# Altium PCB calorieScale.PcbDoc (part 1 of 2) (continued)
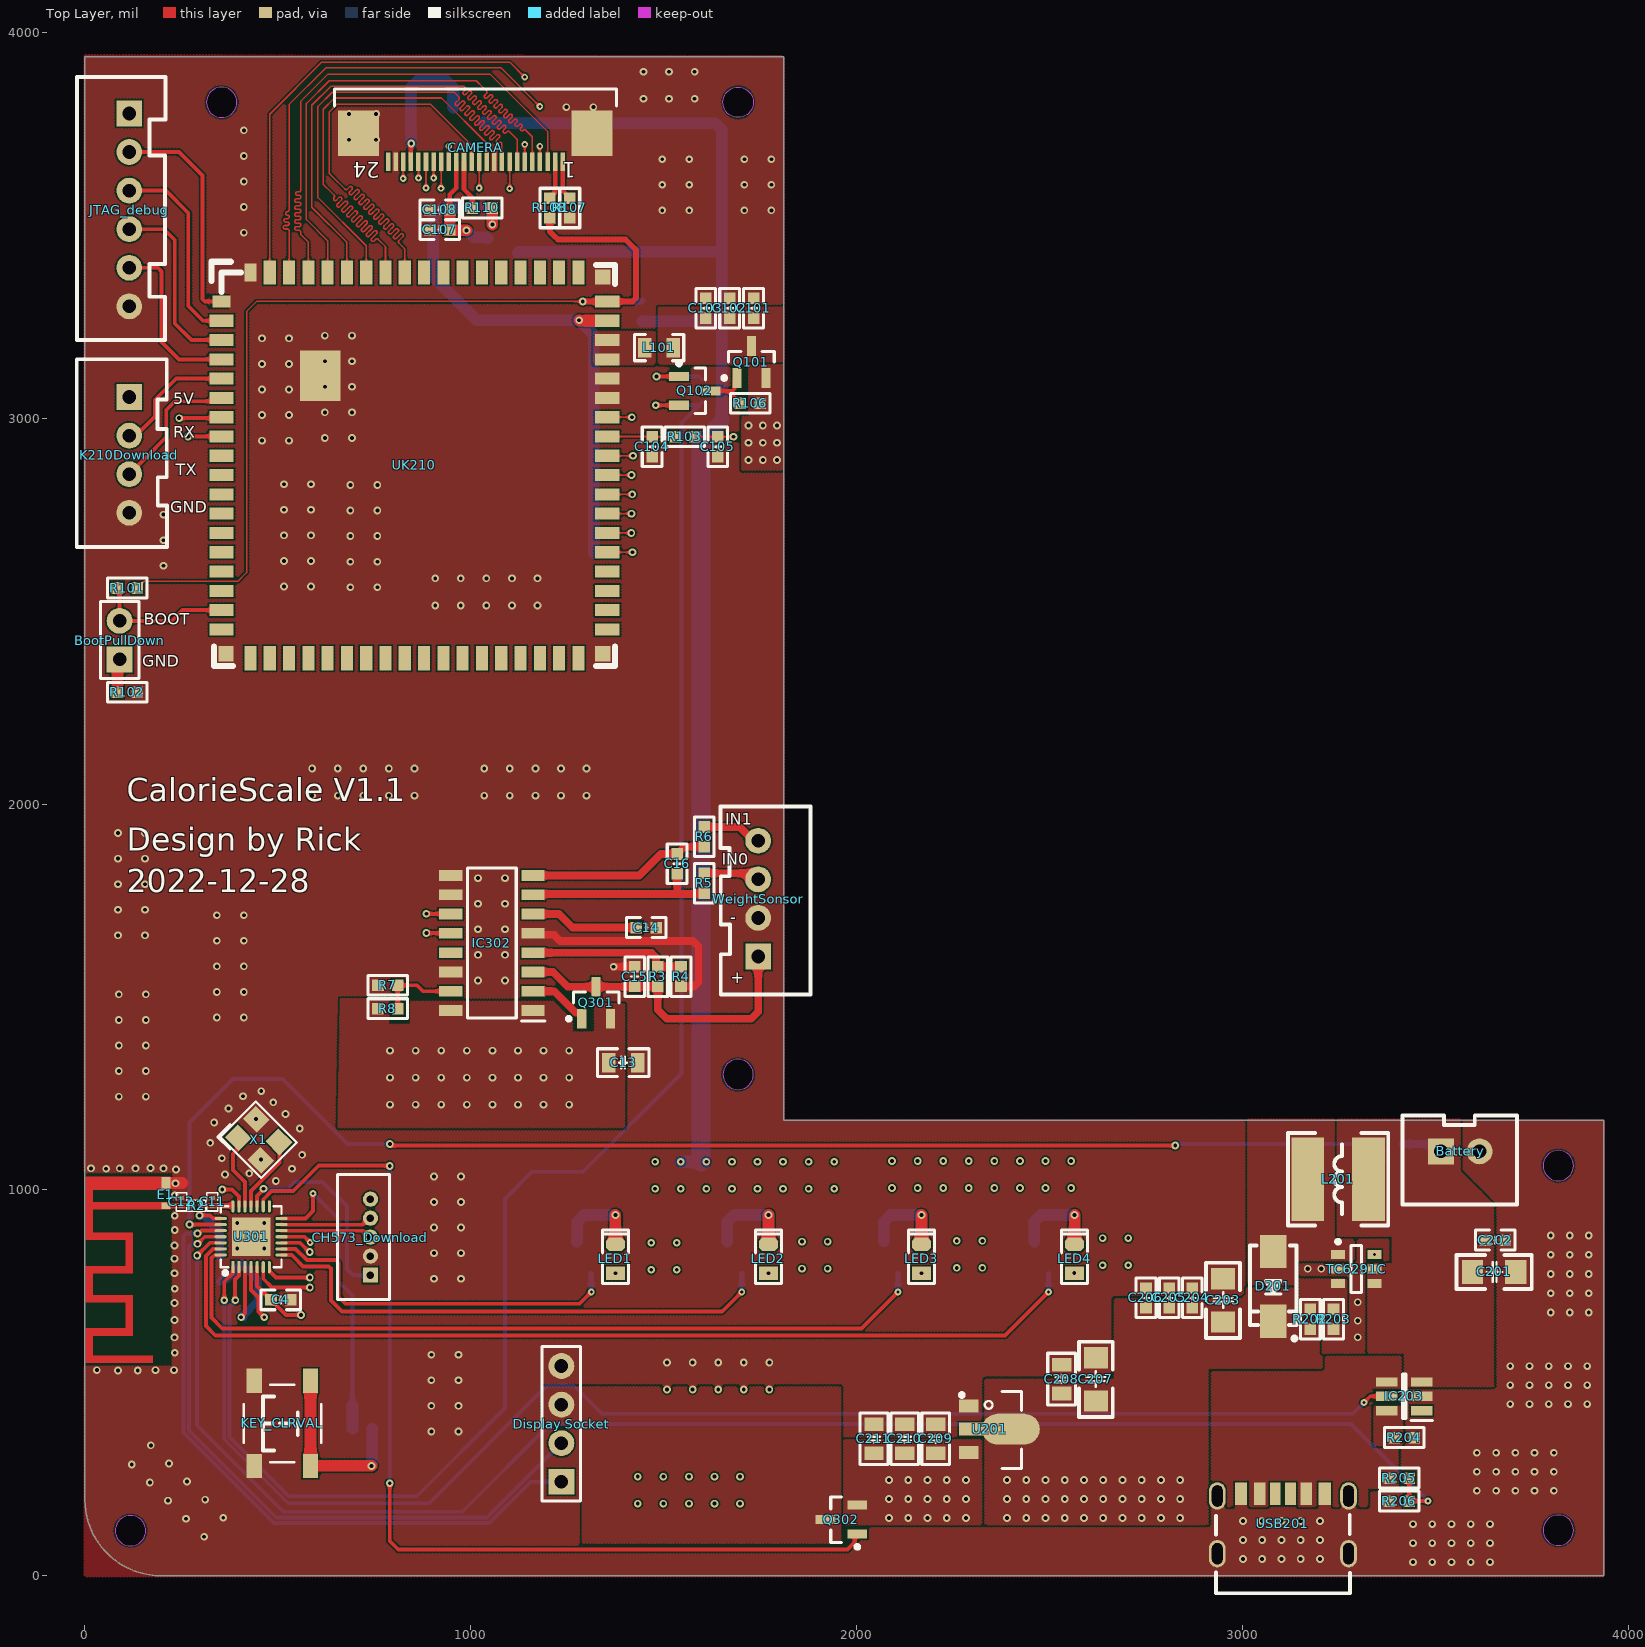
[diagram p0: Top Layer view]
## Components (designator, comment, footprint, x,y, rotation, side; value= is the part's Value field where it differs from the comment) (continued)
CAMERA "68712414022" 68712414022 1012.05,3765.79 r180 top locked
CH573_Download "HDR-1X5" MX1.25-L-5P 740,878 r90 top
D201 "SS210" SMA 3080,750 r270 top
"Display Socket" "HDR-1X4" HDR2.54-M-LI-4P 1235,393.7 r90 top locked
E1 "ANTENNA" ANT-F-1-2.4G-1.6 210,959 r90 top
IC203 "TP4057-42-SOT26-R" SOT95P280X125-6N 3419.45,465.24 r180 top
IC302 "HX711" SOIC127P600X160-16N 1055,1640 r180 top
JTAG_debug "HDR-1X6" XH2.54-LI-6P 115,3540 r270 top
K210Download "HDR-1X4" XH2.54-LI-4P 115,2905 r270 top
KEY_CLRVAL "4x4x1.5" "SW SMD-4*4*1.5" 511.81,395 r90 top locked
L1 "22uH" L0603 435,669 r0 bottom
L2 "0" L0603 350,793.41 r270 bottom
L101 "3.3uH" L0805 1488,3183 r0 top
L201 "10uH" CD52 3248.03,1027.56 r180 top
LED1 "红色" LED0805_G 1375,821.5 r90 top locked
LED2 "红色" LED0805_G 1771.67,821.5 r90 top locked
LED3 "红色" LED0805_G 2168.33,821.5 r90 top locked
LED4 "红色" LED0805_G 2565,821.5 r90 top locked
Q101 "AO3401" SOT23-3N 1727.53,3145.76 r90 top
Q102 "AO3400" SOT23-3N 1581,3071 r0 top
Q201 "AO3400" SOT23-3N 1275,825 r90 bottom
Q202 "AO3400" SOT23-3N 1665,825 r90 bottom
Q203 "AO3400" SOT23-3N 2070,825 r90 bottom
Q204 "AO3400" SOT23-3N 2460,825 r90 bottom
Q301 "SS8550" SOT23-3N 1325,1485 r90 top
Q302 "AO3401" SOT23-3N 1960.63,145.67 r180 top
R2 "10K" R0201_L 289.85,959.15 r0 top
R3 "10K" R0603_L 1485,1553 r270 top
R4 "10K" R0603_L 1545,1553 r90 top
R5 "10K" R0603_L 1605,1795 r90 top
R6 "10K" R0603_L 1605,1915 r90 top
R7 "10K" R0603_L 785.18,1530.41 r0 top
R8 "10K" R0603_L 785,1470 r0 top
R9 "10K" R0603_L 719.13,381.06 r0 bottom
R101 "10K" R0603_L 110,2560 r0 top
R102 "10K" R0603_L 110,2290 r0 top
R103 "10K" R0603_L 1555,2952 r0 top
R104 "1K" R0603_L 1625,3101 r0 bottom
R105 "10K" R0603_L 1625,3041 r0 bottom
R106 "10K" R0603_L 1724,3039 r0 top
R107 "0R" R0603_L 1257,3545 r270 top
R108 "0R" R0603_L 1205,3545 r270 top
R109 "0R" R0603_L 1444,3277 r90 bottom
R110 "0R" R0603_L 1030,3545 r0 top
R111 "2K" R0603_L 1344,2703 r180 bottom
R112 "2K" R0603_L 1344,2650 r180 bottom
R201 "47K %1" R0603_L 3315,830 r0 bottom
R202 "88K 1%" R0603_L 3176.06,665 r270 top
R203 "12K 1%" R0603_L 3236.06,665 r90 top
R204 "2K 1%" R0603_L 3419.29,358.27 r0 top
R205 "5K 1%" R0603_L 3406.79,253.29 r180 top
R206 "10K 1%" R0603_L 3406.61,193.7 r0 top
R207 "10K 1%" R0603_L 2564,810 r90 bottom
R208 "10K 1%" R0603_L 2168,809 r90 bottom
R209 "10K 1%" R0603_L 1772,810 r90 bottom
R210 "10K 1%" R0603_L 1375,810 r90 bottom
R211 "20K 1%" R0603_L 3390,1119 r0 bottom
R212 "10K 1%" R0603_L 3390.54,1059.41 r180 bottom
TC6291C "TC6291C" SOT23-6 3295,795 r0 top
U101 "LN6206P182" SOT23-3L 1083,3429 r0 bottom
U102 "LN6206P302" SOT23-3L 994,3767 r0 bottom
U201 "HT7533" SOT89_N 2345.53,380 r270 top
U301 "CH573F" QFN28_4X4 383.5,800 r0 top
UK210 "M1" M1 1354.09,3377.72 r180 top locked
USB201 "USB_TYPE-C_6Pin" USB-C-SMD_6P 3105,135 r90 top locked
WeightSonsor "HDR-1X4" XH2.54-LI-4P 1745,1755 r90 top
X1 "32M" XTAL-3225-4P 450,1130 r315 top

## Footprints (in the part's own frame and the unit in brackets; to place one, negate y for a bottom-side part, rotate by r counter-clockwise, add the part's x,y. Pads: shape width x height; smd on the part's side, far side on the other; paste and mask are expansions set on the pad)
68712414022 [mm] "ZIF Connectors, Horizontal, Top Contact, pitch 0.5mm, 24p"
  rect 0.3x1.2 smd: 1(-5.75,2.56) 2(-5.25,2.56) 3(-4.75,2.56) 4(-4.25,2.56) 5(-3.75,2.56) 6(-3.25,2.56) 7(-2.75,2.56) 8(-2.25,2.56) 9(-1.75,2.56) 10(-1.25,2.56) 11(-0.75,2.56) 12(-0.25,2.56) 13(0.25,2.56) 14(0.75,2.56) 15(1.25,2.56) 16(1.75,2.56) 17(2.25,2.56) 18(2.75,2.56) 19(3.25,2.56) 20(3.75,2.56) 21(4.25,2.56) 22(4.75,2.56) 23(5.25,2.56) 24(5.75,2.56)
  rect 2.7x3 smd: MP1(-7.68,0.7) MP2(7.68,0.7)
  silkscreen extent -9.27,-2.22 9.28,-1.1, body extent -9.2,-2.15 9.2,2.95, height 2.1
ANT-F-1-2.4G-1.6 [mm]
  rect 0.8x0.6 smd mask+0: 0(1.483,0)
  rect 0.4x0.6 smd mask+0: 1(0,0)
  Top Layer region: -9.86,4.976 -10.36,4.976 -10.36,0.856 -9.86,0.856
  Top Layer region: -8.06,5.296 -10.36,5.296 -10.36,4.796 -8.06,4.796
  Top Layer region: -8.062,4.977 -8.562,4.977 -8.562,2.157 -8.062,2.157
  Top Layer region: -5.875,2.658 -8.364,2.658 -8.364,2.158 -5.875,2.158
  Top Layer region: -5.862,4.977 -6.362,4.977 -6.362,2.157 -5.862,2.157
  Top Layer region: -3.96,5.296 -6.36,5.296 -6.36,4.796 -3.96,4.796
  Top Layer region: -3.96,4.976 -4.46,4.976 -4.46,2.156 -3.96,2.156
  Top Layer region: -1.85,2.651 -4.39,2.651 -4.39,2.156 -1.85,2.156
  Top Layer region: -1.76,4.978 -2.26,4.978 -2.26,2.158 -1.76,2.158
  Top Layer region: 1.94,5.296 -2.26,5.296 -2.26,4.796 1.94,4.796
  Top Layer region: 1.94,5.002 1.04,5.002 1.04,-0.304 1.94,-0.304
  Top Layer region: 0.24,5.027 -0.26,5.027 -0.26,-0.304 0.24,-0.304
C0201_L [mm] "贴片MLCC电容"
  rect 0.25x0.3 smd: 1(-0.25,0) 2(0.25,0)
  silkscreen extent -0.6,-0.35 0.6,0.35, body extent -0.3,-0.16 0.3,0.16
C0603_L [mil] "贴片MLCC电容"
  rect 30x30 smd: 1(-25.59,0) 2(25.59,0)
  silkscreen extent -51,-26 51,26, body extent -31,-16 31,16, height 33
C0805_L [mil] "贴片MLCC电容"
  rect 35x50 smd: 1(-37.4,0) 2(37.4,0)
  silkscreen extent -67,-36 67,36, body extent -39,-24 39,24, height 22
C1206_L [mil] "贴片MLCC电容"
  rect 55x62 smd: 1(-55.12,0) 2(57.09,0)
  silkscreen extent -96,-44 98,44, body extent -63,-32 63,32, height 50
CD52 [mm] "5.8*5.2*3mm（长宽高）        淘宝ID:黄晶宝石"
  rect 2.15x5.5 smd: 1(-2,0) 2(2,0)
  silkscreen extent -3.3,-3.05 3.3,3.05, body extent -2.87,-2.5 2.87,2.5, height 3.2
HDR2.54-LI-2P [mm] "排针，2脚                         联系卖家 免费查找封装"
  rect 1.7x1.7 hole 0.9: 1(-1.27,0)
  round 1.7 hole 0.9: 2(1.27,0)
  silkscreen extent -2.54,-1.27 2.54,1.27, body extent -2.54,-1.27 2.54,1.27, height 2.54
HDR2.54-M-LI-4P [mm] "排母，4脚"
  rect 1.7x1.7 hole 0.9: 1(-3.81,0)
  round 1.7 hole 0.9: 2(-1.27,0) 3(1.27,0) 4(3.81,0)
  silkscreen extent -5.08,-1.27 5.08,1.27, body extent -5.08,-1.27 5.08,1.27, height 8.5
L0603 [mil] "小功率贴片电感            联系卖家 免费查找封装"
  rect 30x30 smd: 1(-30.59,0) 2(30.59,0)
  silkscreen extent -55,-24 55,24, body extent -31,-16 31,16, height 31
L0805 [mil] "小功率贴片电感                联系卖家 免费查找封装"
  rect 35x50 smd: 1(-37.4,0) 2(37.4,0)
  silkscreen extent -64,-34 64,34, body extent -39,-24 39,24, height 35
LED0805_G [mil] "绿色0805LED            联系卖家 免费查找封装"
  rect 35x50 smd: 1(-37.4,0)
  oct 35x50 smd: 2(37.4,0)
  silkscreen extent -64,-33 75,33, body extent -39,-25 39,25, height 32
M1 [mm]
  rect 1x1 smd mask+0.051: 0(0.3,25.1) 0(0.3,0.3) 0(25.1,25.1)
  rect 2.667x3.302 smd mask+0.051: 0(18.9,6.8)
  rect 1.2x0.8 smd mask+0.051: 1(25.4,1.905)
  rect 1.6x0.8 smd mask+0.051: 2(25.4,3.175) 3(25.4,4.445) 4(25.4,5.715) 5(25.4,6.985) 6(25.4,8.255) 7(25.4,9.525) 8(25.4,10.795) 9(25.4,12.065) 10(25.4,13.335) 11(25.4,14.605) 12(25.4,15.875) 13(25.4,17.145) 14(25.4,18.415) 15(25.4,19.685) 16(25.4,20.955) 17(25.4,22.225) 18(25.4,23.495) 37(0,23.495) 38(0,22.225) 39(0,20.955) 40(0,19.685) 41(0,18.415) 42(0,17.145) 43(0,15.875) 44(0,14.605) 45(0,13.335) 46(0,12.065) 47(0,10.795) 48(0,9.525) 49(0,8.255) 50(0,6.985) 51(0,5.715) 52(0,4.445) 53(0,3.175) 54(0,1.905)
  rect 0.8x1.6 smd mask+0.051: 19(23.495,25.4) 20(22.225,25.4) 21(20.955,25.4) 22(19.685,25.4) 23(18.415,25.4) 24(17.145,25.4) 25(15.875,25.4) 26(14.605,25.4) 27(13.335,25.4) 28(12.065,25.4) 29(10.795,25.4) 30(9.525,25.4) 31(8.255,25.4) 32(6.985,25.4) 33(5.715,25.4) 34(4.445,25.4) 35(3.175,25.4) 36(1.905,25.4) 55(1.905,0) 56(3.175,0) 57(4.445,0) 58(5.715,0) 59(6.985,0) 60(8.255,0) 61(9.525,0) 62(10.795,0) 63(12.065,0) 64(13.335,0) 65(14.605,0) 66(15.875,0) 67(17.145,0) 68(18.415,0) 69(19.685,0) 70(20.955,0) 71(22.225,0)
  rect 0.8x1.2 smd mask+0.051: 72(23.495,0)
  silkscreen extent -0.51,-0.71 26.06,25.91, body extent 0,0 25.4,25.4, height 3
MX1.25-L-5P [mm] "长：8mm，宽：3.2mm，高：4.2mm"
  rect 1x1 hole 0.5: 1(-2.51,0)
  round 1 hole 0.5: 2(-1.26,0) 3(-0.01,0) 4(1.24,0) 5(2.49,0)
  silkscreen extent -4.11,-1.27 4.11,2.16, body extent -4,-1.15 4,2.05, height 4.25
QFN28_4X4 [mm]
  rect 2.54x2.54 smd: 0(1.2,2)
  rect 0.2x0.8 smd: 1(0,0)
  oval 0.2x0.8 smd: 2(0.4,0) 3(0.8,0) 4(1.2,0) 5(1.6,0) 6(2,0) 7(2.4,0) 15(2.4,4) 16(2,4) 17(1.6,4) 18(1.2,4) 19(0.8,4) 20(0.4,4) 21(0,4)
  oval 0.8x0.2 smd: 8(3.2,0.8) 9(3.2,1.2) 10(3.2,1.6) 11(3.2,2) 12(3.2,2.4) 13(3.2,2.8) 14(3.2,3.2) 22(-0.8,3.2) 23(-0.8,2.8) 24(-0.8,2.4) 25(-0.8,2) 26(-0.8,1.6) 27(-0.8,1.2) 28(-0.8,0.8)
  silkscreen extent -0.8,-0.51 3.2,4
R0201_L [mm] "1/20W贴片电阻"
  rect 0.25x0.3 smd: 1(-0.25,0) 2(0.25,0)
  silkscreen extent -0.6,-0.35 0.6,0.35, body extent -0.3,-0.15 0.3,0.15, height 0.23
R0603_L [mil] "1/10W贴片电阻"
  rect 30x30 smd: 1(-25.59,0) 2(25.59,0)
  silkscreen extent -51,-26 51,26, body extent -31,-16 32,16, height 16
SMA [mm] "4.5x2.6*2.2mm（长宽高，不包括引脚）联系卖家 免费查找封装"
  rect 2.2x1.75 smd: 1(-2.3,0) 2(2.3,0)
  silkscreen extent -2.7,-1.52 3.56,1.52, body extent -2.55,-1.3 2.55,1.3, height 2.15
SOIC127P600X160-16N [mm]
  rect 1.525x0.7 smd: 1(-2.712,4.445) 2(-2.712,3.175) 3(-2.712,1.905) 4(-2.712,0.635) 5(-2.712,-0.635) 6(-2.712,-1.905) 7(-2.712,-3.175) 8(-2.712,-4.445) 9(2.712,-4.445) 10(2.712,-3.175) 11(2.712,-1.905) 12(2.712,-0.635) 13(2.712,0.635) 14(2.712,1.905) 15(2.712,3.175) 16(2.712,4.445)
  silkscreen extent -3.47,-4.95 1.6,5.15, body extent -3.06,-4.94 3.06,4.94, height 2.05
SOT23-3L [mm] "SOT23, 3-Leads, Body 2.9x1.3mm, Pitch 0.95mm, Lead Span 2.4mm, IPC High Density"
  rect 1x0.6 smd: 1(-1,0.95) 2(-1,-0.95) 3(1,0)
  silkscreen extent -1.12,-1.5 0.7,1.92, body extent -1.2,-1.5 1.2,1.5, height 1.05
SOT23-3N [mm] "SOT23, 3-Leads, Body 2.9x1.3mm, Pitch 0.95mm, Lead Span 2.4mm, IPC Medium Density"
  rect 1.3x0.6 smd: 1(-1.05,0.95) 2(-1.05,-0.95) 3(1.05,0)
  silkscreen extent -1.17,-1.5 0.7,1.92, body extent -1.2,-1.5 1.2,1.5, height 1.05
SOT23-6 [mm] "SOT-23, 6-Leads, Body 2.90x1.60mm, Pitch 0.95mm, IPC High Density"
  rect 0.9x0.6 smd: 1(-1.2,0.95) 2(-1.2,0) 3(-1.2,-0.95) 4(1.2,-0.95) 5(1.2,0) 6(1.2,0.95)
  silkscreen extent -1.32,-1.55 0.35,1.92, body extent -1.4,-1.5 1.4,1.5, height 1.15
SOT89_N [mil] "4.6x4.3x1.6mm(长宽高)                联系卖家 免费查找封装"
  rect 34.02x50 smd: 1(-60,-54.47) 3(60,-54.47)
  oval 80x150 smd: 2(0,54.47)
  rect 34x100 smd: 2(0,-29.47)
  silkscreen extent -98,-78 102,82, body extent -89,-73 93,96, height 63
SOT95P280X125-6N [mm]
  rect 1.4x0.6 smd: 1(-1.15,0.95) 2(-1.15,0) 3(-1.15,-0.95) 4(1.15,-0.95) 5(1.15,0) 6(1.15,0.95)
  silkscreen extent -1.85,-1.46 0.1,1.6, body extent -1.4,-1.46 1.4,1.46, height 1.25
"SW SMD-4*4*1.5" [mm] "轻触开关，长宽高：4*4*1.5mm           淘宝ID:黄晶宝石"
  rect 1.6x1 smd: 1(-2.8,1.85) 2(-2.8,-1.85) 3(2.8,-1.85) 4(2.8,1.85)
  silkscreen extent -2.55,-2.55 2.55,2.55, body extent -3.2,-2.6 3.2,2.6, height 1.5
USB-C-SMD_6P [mil] "封装库来自淘宝ID:黄晶宝石"
  oval 70.82x43.31 hole 27.56 slot 55.16 at 0 deg: 0(-77.76,170.08) 0(-77.76,-170.08) 0(71.84,170.08) 0(71.84,-170.08)
  rect 59x27.6 smd: A5(77.76,19.7) B5(77.76,-19.7)
  rect 59x29.9 smd: A9(77.76,-59.85) B9(77.76,59.85)
  rect 59x31.5 smd: A12(77.76,-108.25) B12(77.76,108.25)
  silkscreen extent -180,-174 22,174, body extent -172,-176 95,176, height 127
XH2.54-LI-2P [mm] "接插件，2P"
  rect 1.7x1.7 hole 0.9: 1(-1.27,0)
  round 1.7 hole 0.9: 2(1.27,0)
  silkscreen extent -3.81,-3.51 3.74,2.37, body extent -3.77,-3.3 3.77,2.4, height 7.05
XH2.54-LI-4P [mm] "接插件，4P"
  rect 1.7x1.7 hole 0.9: 1(-3.81,0)
  round 1.7 hole 0.9: 2(-1.27,0) 3(1.27,0) 4(3.81,0)
  silkscreen extent -6.3,-3.45 6.07,2.49, body extent -6.31,-3.3 6.31,2.4, height 7.05
XH2.54-LI-6P [mm] "接插件，6P"
  rect 1.7x1.7 hole 0.9: 1(-6.35,0)
  round 1.7 hole 0.9: 2(-3.81,0) 3(-1.27,0) 4(1.27,0) 5(3.81,0) 6(6.35,0)
  silkscreen extent -8.74,-3.43 8.56,2.39, body extent -8.85,-3.3 8.85,2.4, height 7.05
XTAL-3225-4P [mm] "3.2*2.5*0.7mm(长宽高)                             淘宝ID:黄晶宝石"
  rect 1.3x1.2 smd: 1(-1.05,-0.85) 2(1.05,-0.85) 3(1.05,0.85) 4(-1.05,0.85)
  silkscreen extent -2.03,-1.75 1.9,1.65, body extent -1.6,-1.25 1.6,1.25, height 0.7

## Part data
Battery BootPullDown: library part "Header 2", "2P接插件", BOM名称=2P接插件, 联系卖家，免费查找封装=唯一出售店铺网址https://shop463601444.taobao.com
  BootPullDown: 封装库来自淘宝卖家ID：黄晶宝石=其他店铺购入均为盗版封装库，请立即申请退款，本店现金奖励50~200元
C1 C2 C3 C4 C11 C12 C13 C14 C15 C16 C17 C101 C102 C103 C104 C105 C106 C107 C108 C109 C110 C111 C201 C202 C203 C204 C205 C206 C207 C208 C209 C210 C211: library part C, "贴片电容/MLCC电容", BOM名称=无极性贴片电容, 联系卖家，免费查找封装=唯一出售店铺网址https://shop463601444.taobao.com
CAMERA: library part CMP-1502-01558-1, "SMT ZIF Connectors WR-FPC, Horizontal, Top Contact, pitch 0.5 mm, 24 pins", Contact Resistance=20mOhm, Manufacturer="Wurth Elektronik", Operating Temperature=-25to85degC, Rated Current=0.5A, Withstanding Voltage=250VAC, Working Voltage=50VAC, Contact Design=TopContact, Datasheet URL=https://katalog.we-online.de/em/datasheet/68712414022.pdf, Manufacturer URL=http://www.we-online.de, Mounting Technology=SMT, Orientation=Horizontal, Package Reference=68712414022, Packaging=TapeandReel, Part Number=68712414022, Pin Number=24, Pitch=0.5mm, Publisher=WurthElektronik
CH573_Download: library part "Header 5", "5P连接器", BOM名称=5P连接器, 联系卖家 免费技术支持=封装库来自淘宝卖家ID：黄晶宝石
D201: "肖特基二极管", BOM名称=肖特基二极管, 以赠品形式获赠本封装库的买家，还可联系卖家免费指导AD软件使用=封装库来自淘宝卖家ID：黄晶宝石
"Display Socket" K210Download WeightSonsor: library part "Header 4", "4P接插件", BOM名称=4P接插件, 封装库来自淘宝卖家ID：黄晶宝石=其他店铺购入均为盗版封装库，请立即申请退款，本店现金奖励50~200元, 联系卖家，免费查找封装=唯一出售店铺网址https://shop463601444.taobao.com
E1: "Generic Antenna"
IC203: "Integrated Circuit", Manufacturer_Name="Nanjing Extension Microelectronics", Datasheet Link=https://datasheet.lcsc.com/szlcsc/Nanjing-Extension-Microelectronics-TP4057_C12044.pdf, Height=1.25mm, Manufacturer_Part_Number=TP4057-42-SOT26-R
IC302: "Integrated Circuit", Manufacturer_Name="AVIA Semiconductor", Datasheet Link=https://cdn.sparkfun.com/datasheets/Sensors/ForceFlex/hx711_english.pdf, Height=1.6mm, Manufacturer_Part_Number=HX711
JTAG_debug: library part "Header 6", "6P接插件", BOM名称=6P接插件, 封装库来自淘宝卖家ID：黄晶宝石=其他店铺购入均为盗版封装库，请立即申请退款，本店现金奖励50~200元, 联系卖家，免费查找封装=唯一出售店铺网址https://shop463601444.taobao.com
KEY_CLRVAL: library part "SW SMD-4x4", "贴片4x4轻触开关", BOM名称=贴片4x4轻触开关, 封装库来自淘宝卖家ID：黄晶宝石=其他店铺购入的，请立即申请退款，本店现金奖励20~500元, 联系卖家，免费查找封装=唯一出售店铺网址https://shop463601444.taobao.com
L1 L2 L101: library part L, "贴片小功率电感", BOM名称=小功率贴片电感, 联系卖家，免费查找封装=唯一出售店铺网址https://shop463601444.taobao.com
L201: library part L-SMD, "CD系列贴片线绕功率电感", BOM名称=功率电感, 联系卖家，免费查找封装=唯一出售店铺网址https://shop463601444.taobao.com
LED1 LED2 LED3 LED4: library part LED-SMD, "贴片LED", BOM名称=贴片LED, 封装库来自淘宝卖家ID：黄晶宝石=其他店铺购入均为盗版封装库，请立即申请退款，本店现金奖励20~200元
Q101 Q302: "P沟道 30V/4.2A", 8元以下特价购入的买家=还可以联系卖家远程指导AD软件使用, BOM名称=场效应管, 参数="P沟道 30V/4.2A"
Q102 Q201 Q202 Q203 Q204: "N沟道 30V/4.2A", 8元以下特价购入的买家=还可以联系卖家远程指导AD软件使用, BOM名称=场效应管, 参数="N沟道 30V/4.2A"
Q301: library part 8550-SMD, "高频放大-PNP型", 8元以下特价购入的买家=还可以联系卖家远程指导AD软件使用, BOM名称=高频放大-PNP型, 参数="40V 1.5A 1W 100MHZ"
R2 R3 R4 R5 R6 R7 R8 R9 R101 R102 R103 R104 R105 R106 R107 R108 R109 R110 R111 R112 R201 R202 R203 R204 R205 R206 R207 R208 R209 R210 R211 R212: library part R, "贴片电阻", BOM名称=贴片电阻, 联系卖家，免费查找封装=唯一出售店铺网址https://shop463601444.taobao.com
U101 U102: library part LN6206P*
U201: "LDO线性稳压芯片", 封装库来自淘宝卖家ID：黄晶宝石=其他店铺购入的买家，请立即申请退款，本店现金奖励20~1000元
U301: "RISC-V MCU with BLE/USB/ADC/SPI/4*UART"
USB201: "USB_TYPE-C_6Pin母座", 联系卖家 免费技术支持=封装库来自淘宝卖家ID：黄晶宝石
X1: library part XTAL-4P, "4脚无源晶振(谐振器）", BOM名称=4脚无源晶振(谐振器）, 联系卖家，免费查找封装=唯一出售店铺网址https://shop463601444.taobao.com

## Via types
v1: diameter 20, hole 10, Top Layer to Bottom Layer, tented both sides, 483 vias
v2: diameter 17.72, hole 7.87, Top Layer to Bottom Layer, tented both sides, 21 vias
v3: diameter 19.68, hole 11.81, Top Layer to Bottom Layer, tented both sides, 5 vias

## Nets (pads, with @x,y where several pads share a name; then routed paths per layer and width w, separated by ;. In a path a pad name is that pad's centre, name@x,y a point inside that pad or via, vN(x,y) a via of type N, cw(c..) or ccw(c..) an arc to the next point about the centre after c; other vN are vias at no path point)
BAT_AD: R211.1 R212.2 U301.23 | length 3618.8
  Top Layer w10: v1(271.24,910.24) U301.23@352.01,910.24 ; v1(790.44,1119) 793.15,1119 797.15,1115 v1(2826,1115)
  Bottom Layer w10: v1(271.24,910.24) 271.24,1175.24 384,1288 512,1288 681,1119 v1(790.44,1119) ; v1(2826,1115) 2830,1119 R211.1@3364.41,1119 3364.41,1059.96 R212.2@3364.95,1059.41
BAT_STDBY: IC203.5 U301.1 | length 3712.5
  Top Layer w10: v1(361.04,713.96) 361.04,762.04 383.5,784.5 U301.1@383.5,800 ; v2(3314.96,448.82) 3331.38,465.24 IC203.5@3374.17,465.24
  Bottom Layer w10: v1(361.04,713.96) 361.04,353.96 527,188 893,188 1198,493 1267,493 1340,420 3286.14,420 v2(3314.96,448.82)
Boot: CH573_Download.1 U301.17 | length 533.2
  Top Layer w10: U301.17@446.5,957.48 446.5,984.5 463.07,1001.07 v1(463.07,1002.94)
  Bottom Layer w10: v1(463.07,1002.94) 464,1002 526,1002 545,1021 616,1021 679,958 679,795 694.82,779.18 CH573_Download.1@740,779.18
CAM_IO_VCC: CAMERA.14 R110.1 | length 129.1
  Top Layer w12: CAMERA.14@982.52,3665 982.52,3593.48 1004.41,3571.59 R110.1@1004.41,3545
CAM_RESET: CAMERA.19 UK210.43 | length 1362.3
  Top Layer w4: v2(884,3597) 884.05,3597.05 CAMERA.19@884.09,3665 CAMERA.19@884.09,3665 ; UK210.43@1354.09,2752.72 v1(1416.72,2752.72)
  Sig3 w4: v2(884,3597) 884,3026.87 1158.15,2752.72 1190.29,2752.72 1219,2752.72 cw(c1219,2748.22) 1223.5,2748.22 1223.5,2745.72 ccw(c1228,2745.72) 1232.5,2745.72 1232.5,2748.22 cw(c1237,2748.22) 1237,2752.72 1239,2752.72 v1(1416.72,2752.72)
CHR_DET: R205.1 R206.2 U301.26 | length 4083.3
  Top Layer w10: v1(291,830) 323.99,862.99 U301.26@352.01,862.99 ; R205.1@3432.39,253.29 3432.39,193.88 R206.2@3432.2,193.7 v2(3481.1,193.7)
  Bottom Layer w10: v1(291,830) 291,390 515,166 978,166 1205.7,393.7 3281.1,393.7 v2(3481.1,193.7)
D0: CAMERA.6 UK210.71 | length 1362.3
  Top Layer w4: UK210.71@479.09,3377.72 479.09,3788.09 614,3923 1101,3923 v2(1140,3884) ; CAMERA.6@1140,3665 v2(1140,3710)
  Sig3 w4: v2(1140,3710) v2(1140,3884)
D1: CAMERA.4 UK210.70 | length 1362.4
  Top Layer w4: UK210.70@529.09,3377.72 529.09,3484.02 529.09,3486.02 ccw(c524.59,3486.02) 524.59,3490.52 518.59,3490.52 cw(c518.59,3495.02) 518.59,3499.52 525,3499.52 ccw(c525,3504.02) 525,3508.52 520.21,3508.52 cw(c520.21,3513.02) 520.21,3517.52 525,3517.52 ccw(c525,3522.02) 525,3526.52 524.59,3526.52 cw(c524.59,3531.02) 524.59,3535.52 ccw(c524.59,3540.02) 529.09,3540.02 529.09,3587 529.09,3813.09 624,3908 1079.03,3908 v2(1179,3808) ; v2(1179,3705) 1179.19,3704.81 1179.19,3665.19 CAMERA.4@1179.37,3665
  Sig3 w4: v2(1179,3705) v2(1179,3808)
D2: CAMERA.3 UK210.69 | length 1398.7
  Top Layer w4: UK210.69@579.09,3377.72 579.09,3456.91 559,3477 559,3481.04 559,3483.04 ccw(c554.5,3483.04) 554.5,3487.54 548.5,3487.54 cw(c548.5,3492.04) 548.5,3496.54 555.4,3496.54 ccw(c555.4,3501.04) 555.4,3505.54 548.5,3505.54 cw(c548.5,3510.04) 548.5,3514.54 555.4,3514.54 ccw(c555.4,3519.04) 555.4,3523.54 548.5,3523.54 cw(c548.5,3528.04) 548.5,3532.54 555.4,3532.54 ccw(c555.4,3537.04) 555.4,3541.54 548.5,3541.54 cw(c548.5,3546.04) 548.5,3550.54 555.4,3550.54 ccw(c555.4,3555.04) 555.4,3559.54 548.5,3559.54 cw(c548.5,3564.04) 548.5,3568.54 555.4,3568.54 ccw(c555.4,3573.04) 555.4,3577.54 550.44,3577.54 cw(c550.44,3582.04) 550.44,3586.54 554.5,3586.54 ccw(c554.5,3591.04) 559,3591.04 559,3667 559,3821 629,3891 1051.03,3891 1199,3743.03 1199,3665.06 CAMERA.3@1199.06,3665
D3: CAMERA.5 UK210.68 | length 1398.7
  Top Layer w4: UK210.68@629.09,3377.72 629.09,3459.91 574,3515 574,3816 633,3875 1014.03,3875 1033.01,3856.01 1040.79,3848.23 cw(c1037.61,3845.05) 1040.79,3841.87 1036.14,3837.22 ccw(c1039.33,3834.04) 1036.14,3830.86 ccw(c1039.33,3834.04) 1042.51,3830.86 1049.07,3837.43 cw(c1052.26,3834.24) 1055.44,3837.42 cw(c1052.26,3834.24) 1055.44,3831.06 1048.87,3824.49 ccw(c1052.05,3821.31) 1048.87,3818.13 ccw(c1052.05,3821.31) 1055.24,3818.13 1061.8,3824.7 cw(c1064.98,3821.52) 1068.17,3824.7 cw(c1064.98,3821.52) 1068.17,3818.33 1061.6,3811.77 ccw(c1064.78,3808.58) 1061.6,3805.4 ccw(c1064.78,3808.58) 1067.96,3805.4 1074.53,3811.97 cw(c1077.71,3808.79) 1080.89,3811.97 cw(c1077.71,3808.79) 1080.89,3805.61 1074.33,3799.04 ccw(c1077.51,3795.86) 1074.33,3792.67 ccw(c1077.51,3795.86) 1080.69,3792.67 1087.26,3799.24 cw(c1090.44,3796.06) 1093.62,3799.24 cw(c1090.44,3796.06) 1093.62,3792.88 1087.06,3786.31 ccw(c1090.24,3783.13) 1087.06,3779.95 ccw(c1090.24,3783.13) 1093.42,3779.95 1099.99,3786.51 cw(c1103.17,3783.33) 1106.35,3786.51 cw(c1103.17,3783.33) 1106.35,3780.15 1099.78,3773.58 ccw(c1102.97,3770.4) 1099.78,3767.22 ccw(c1102.97,3770.4) 1106.15,3767.22 1112.71,3773.79 cw(c1115.9,3770.6) 1119.08,3773.79 cw(c1115.9,3770.6) 1119.08,3767.42 1115.86,3764.2 ccw(c1119.04,3761.02) 1115.86,3757.84 ccw(c1119.04,3761.02) 1122.22,3757.84 1125.44,3761.06 cw(c1128.62,3757.88) 1131.81,3761.06 cw(c1128.62,3757.88) 1131.81,3754.69 1129.89,3752.77 ccw(c1133.07,3749.59) 1129.89,3746.41 ccw(c1133.07,3749.59) 1136.25,3746.41 cw(c1139.43,3743.23) 1142.61,3746.41 1154.14,3734.88 1159.69,3729.34 CAMERA.5@1159.69,3665
D4: CAMERA.7 UK210.67 | length 1398.7
  Top Layer w4: UK210.67@679.09,3377.72 679.09,3455.91 588,3547 588,3811 637,3860 976,3860 983.03,3860 985.7,3857.33 cw(c982.52,3854.14) 985.7,3850.96 981,3846.26 ccw(c984.18,3843.08) 981,3839.89 ccw(c984.18,3843.08) 987.36,3839.89 994.46,3847 cw(c997.64,3843.81) 1000.83,3847 cw(c997.64,3843.81) 1000.83,3840.63 993.72,3833.53 ccw(c996.91,3830.35) 993.72,3827.17 ccw(c996.91,3830.35) 1000.09,3827.17 1007.19,3834.27 cw(c1010.37,3831.09) 1013.55,3834.27 cw(c1010.37,3831.09) 1013.55,3827.9 1006.45,3820.8 ccw(c1009.63,3817.62) 1006.45,3814.44 ccw(c1009.63,3817.62) 1012.82,3814.44 1019.92,3821.54 cw(c1023.1,3818.36) 1026.28,3821.54 cw(c1023.1,3818.36) 1026.28,3815.18 1019.18,3808.07 ccw(c1022.36,3804.89) 1019.18,3801.71 ccw(c1022.36,3804.89) 1025.54,3801.71 1032.65,3808.81 cw(c1035.83,3805.63) 1039.01,3808.81 cw(c1035.83,3805.63) 1039.01,3802.45 1031.91,3795.35 ccw(c1035.09,3792.16) 1031.91,3788.98 ccw(c1035.09,3792.16) 1038.27,3788.98 1045.37,3796.08 cw(c1048.56,3792.9) 1051.74,3796.08 cw(c1048.56,3792.9) 1051.74,3789.72 1044.64,3782.62 ccw(c1047.82,3779.44) 1044.64,3776.25 ccw(c1047.82,3779.44) 1051,3776.25 1058.1,3783.36 cw(c1061.28,3780.17) 1064.47,3783.36 cw(c1061.28,3780.17) 1064.47,3776.99 1057.36,3769.89 ccw(c1060.55,3766.71) 1057.36,3763.53 ccw(c1060.55,3766.71) 1063.73,3763.53 1070.83,3770.63 cw(c1074.01,3767.45) 1077.19,3770.63 cw(c1074.01,3767.45) 1077.19,3764.26 1070.09,3757.16 ccw(c1073.27,3753.98) 1070.09,3750.8 ccw(c1073.27,3753.98) 1076.46,3750.8 1083.56,3757.9 cw(c1086.74,3754.72) 1089.92,3757.9 cw(c1086.74,3754.72) 1089.92,3751.54 1084.96,3746.57 ccw(c1088.14,3743.39) 1084.96,3740.21 ccw(c1088.14,3743.39) 1091.32,3740.21 1093.89,3742.77 cw(c1097.07,3739.59) 1100.25,3742.77 1113.93,3729.09 1120.32,3722.71 CAMERA.7@1120.32,3665
D5: CAMERA.9 UK210.66 | length 1398.7
  Top Layer w4: UK210.66@729.09,3377.72 729.09,3446.91 604,3572 604,3808 641,3845 957.02,3845 961.51,3840.51 969.29,3832.73 cw(c966.11,3829.55) 969.29,3826.37 960.67,3817.75 ccw(c963.85,3814.56) 960.67,3811.38 ccw(c963.85,3814.56) 967.03,3811.38 976.6,3820.95 cw(c979.78,3817.77) 982.97,3820.95 cw(c979.78,3817.77) 982.97,3814.59 973.4,3805.02 ccw(c976.58,3801.84) 973.4,3798.65 ccw(c976.58,3801.84) 979.76,3798.65 989.33,3808.23 cw(c992.51,3805.04) 995.69,3808.22 cw(c992.51,3805.04) 995.69,3801.86 986.12,3792.29 ccw(c989.31,3789.11) 986.12,3785.93 ccw(c989.31,3789.11) 992.49,3785.93 1002.06,3795.5 cw(c1005.24,3792.32) 1008.42,3795.5 cw(c1005.24,3792.32) 1008.42,3789.13 998.85,3779.56 ccw(c1002.03,3776.38) 998.85,3773.2 ccw(c1002.03,3776.38) 1005.22,3773.2 1014.79,3782.77 cw(c1017.97,3779.59) 1021.15,3782.77 cw(c1017.97,3779.59) 1021.15,3776.41 1011.58,3766.84 ccw(c1014.76,3763.65) 1011.58,3760.47 ccw(c1014.76,3763.65) 1017.94,3760.47 1027.51,3770.04 cw(c1030.7,3766.86) 1033.88,3770.04 cw(c1030.7,3766.86) 1033.88,3763.68 1024.31,3754.11 ccw(c1027.49,3750.93) 1024.31,3747.74 ccw(c1027.49,3750.93) 1030.67,3747.74 1040.24,3757.31 cw(c1043.42,3754.13) 1046.61,3757.31 cw(c1043.42,3754.13) 1046.61,3750.95 1037.04,3741.38 ccw(c1040.22,3738.2) 1037.04,3735.02 ccw(c1040.22,3738.2) 1043.4,3735.02 1052.97,3744.59 cw(c1056.15,3741.4) 1059.33,3744.59 cw(c1056.15,3741.4) 1059.33,3738.22 1050.29,3729.18 ccw(c1053.47,3726) 1050.29,3722.82 ccw(c1053.47,3726) 1056.66,3722.81 1067.83,3733.99 cw(c1071.01,3730.81) 1074.2,3733.99 cw(c1071.01,3730.81) 1074.2,3727.63 1066.9,3720.33 ccw(c1070.08,3717.15) 1066.9,3713.97 ccw(c1070.08,3717.15) 1073.26,3713.97 cw(c1076.44,3710.78) 1080.94,3710.78 1080.94,3702.94 CAMERA.9@1080.94,3665
D6: CAMERA.11 UK210.65 | length 1398.7
  Top Layer w4: UK210.65@779.09,3377.72 779.09,3444.91 761.68,3462.32 760.27,3463.73 ccw(c757.09,3460.55) 753.9,3463.73 749.66,3459.49 cw(c746.48,3462.67) 743.3,3459.49 cw(c746.48,3462.67) 743.3,3465.85 756.15,3478.71 ccw(c752.97,3481.89) 756.15,3485.07 ccw(c752.97,3481.89) 749.79,3485.07 736.93,3472.22 cw(c733.75,3475.4) 730.57,3472.22 cw(c733.75,3475.4) 730.57,3478.58 743.42,3491.44 ccw(c740.24,3494.62) 743.42,3497.8 ccw(c740.24,3494.62) 737.06,3497.8 724.2,3484.95 cw(c721.02,3488.13) 717.84,3484.95 cw(c721.02,3488.13) 717.84,3491.31 730.7,3504.16 ccw(c727.51,3507.35) 730.7,3510.53 ccw(c727.51,3507.35) 724.33,3510.53 711.48,3497.67 cw(c708.29,3500.86) 705.11,3497.67 cw(c708.29,3500.86) 705.11,3504.04 717.97,3516.89 ccw(c714.79,3520.07) 717.97,3523.26 ccw(c714.79,3520.07) 711.6,3523.26 698.75,3510.4 cw(c695.57,3513.58) 692.38,3510.4 cw(c695.57,3513.58) 692.39,3516.77 705.24,3529.62 ccw(c702.06,3532.8) 705.24,3535.98 ccw(c702.06,3532.8) 698.88,3535.98 686.02,3523.13 cw(c682.84,3526.31) 679.66,3523.13 cw(c682.84,3526.31) 679.66,3529.49 692.51,3542.35 ccw(c689.33,3545.53) 692.51,3548.71 ccw(c689.33,3545.53) 686.15,3548.71 673.29,3535.86 cw(c670.11,3539.04) 666.93,3535.86 cw(c670.11,3539.04) 666.93,3542.22 679.78,3555.08 ccw(c676.6,3558.26) 679.78,3561.44 ccw(c676.6,3558.26) 673.42,3561.44 660.57,3548.59 cw(c657.38,3551.77) 654.2,3548.59 cw(c657.38,3551.77) 654.2,3554.95 664.78,3565.53 ccw(c661.6,3568.71) 664.78,3571.89 ccw(c661.6,3568.71) 658.42,3571.89 652.08,3565.56 cw(c648.9,3568.74) 645.72,3565.56 cw(c648.9,3568.74) 645.72,3571.92 ccw(c642.53,3575.1) 645.72,3578.28 637.5,3586.5 618,3606 618,3801 647,3830 924.03,3830 1041.57,3712.45 CAMERA.11@1041.57,3665
D7: CAMERA.13 UK210.64 | length 1398.7
  Top Layer w4: UK210.64@829.09,3377.72 829.09,3438.91 821.78,3446.22 814,3454 cw(c817.18,3457.18) 814,3460.36 824.4,3470.76 ccw(c821.22,3473.94) 824.4,3477.13 ccw(c821.22,3473.94) 818.03,3477.13 807.12,3466.21 cw(c803.94,3469.4) 800.76,3466.21 cw(c803.94,3469.4) 800.76,3472.58 811.67,3483.49 ccw(c808.49,3486.67) 811.67,3489.85 ccw(c808.49,3486.67) 805.31,3489.85 794.39,3478.94 cw(c791.21,3482.12) 788.03,3478.94 cw(c791.21,3482.12) 788.03,3485.31 798.94,3496.22 ccw(c795.76,3499.4) 798.94,3502.58 ccw(c795.76,3499.4) 792.58,3502.58 781.67,3491.67 cw(c778.48,3494.85) 775.3,3491.67 cw(c778.48,3494.85) 775.3,3498.03 786.21,3508.95 ccw(c783.03,3512.13) 786.21,3515.31 ccw(c783.03,3512.13) 779.85,3515.31 768.94,3504.4 cw(c765.76,3507.58) 762.57,3504.4 cw(c765.76,3507.58) 762.57,3510.76 773.49,3521.67 ccw(c770.3,3524.86) 773.49,3528.04 ccw(c770.3,3524.86) 767.12,3528.04 756.21,3517.13 cw(c753.03,3520.31) 749.85,3517.13 cw(c753.03,3520.31) 749.85,3523.49 760.76,3534.4 ccw(c757.58,3537.58) 760.76,3540.77 ccw(c757.58,3537.58) 754.39,3540.77 743.48,3529.85 cw(c740.3,3533.04) 737.12,3529.85 cw(c740.3,3533.04) 737.12,3536.22 748.03,3547.13 ccw(c744.85,3550.31) 748.03,3553.49 ccw(c744.85,3550.31) 741.67,3553.49 730.75,3542.58 cw(c727.57,3545.76) 724.39,3542.58 cw(c727.57,3545.76) 724.39,3548.95 735.3,3559.86 ccw(c732.12,3563.04) 735.3,3566.22 ccw(c732.12,3563.04) 728.94,3566.22 718.03,3555.31 cw(c714.84,3558.49) 711.66,3555.31 cw(c714.84,3558.49) 711.66,3561.67 722.57,3572.59 ccw(c719.39,3575.77) 722.57,3578.95 ccw(c719.39,3575.77) 716.21,3578.95 705.3,3568.04 cw(c702.12,3571.22) 698.93,3568.04 cw(c702.12,3571.22) 698.93,3574.4 709.85,3585.31 ccw(c706.66,3588.5) 709.85,3591.68 ccw(c706.66,3588.5) 703.48,3591.68 692.57,3580.76 cw(c689.39,3583.95) 686.21,3580.76 cw(c689.39,3583.95) 686.21,3587.13 692.08,3593.01 ccw(c688.9,3596.19) 692.08,3599.37 ccw(c688.9,3596.19) 685.72,3599.37 680.36,3594.01 cw(c677.17,3597.19) 673.99,3594.01 640.5,3627.5 633,3635 633,3794 653,3814 896.03,3814 1002.2,3707.82 CAMERA.13@1002.2,3665
DCLK: IC302.11 U301.7 | length 1385.9
  Top Layer w10: U301.7@479.06,789.25 495.31,773 v1(583,773) ; v1(885,1716) 885.5,1715.5 947.73,1715.5 IC302.11@948.23,1715
  Sig3 w10: v1(583,773) 663,773 673,783 673,1669 720,1716 v1(885,1716)
Display_SW: Q302.1 U301.16 | length 2600
  Top Layer w10: U301.16@462.24,957.48 462.24,975.24 484,997 540,997 606,1063 v1@790,1063 ; v1(790,240) 790,90 812,68 1976,68 1995.31,87.31 1995.31,101.61 Q302.1@2001.97,108.27
  Bottom Layer w10: v1(790,240) v1(790,1062)
DOUT: IC302.12 U301.6 | length 1421.5
  Top Layer w10: U301.6@462.24,800 462.24,769.76 485,747 v1(583,747) ; v1(885,1666) 885.5,1665.5 947.73,1665.5 IC302.12@948.23,1665
  Sig3 w10: v1(583,747) 673.77,747 699,772.23 699,1651 714,1666 v1(885,1666)
DVP_SCL: CAMERA.20 R111.1 UK210.42 | length 1463.2
  Top Layer w4: CAMERA.20@864.41,3665 864.7,3664.7 864.7,3623.3 v2(865,3623) ; UK210.42@1354.09,2702.72 v1(1416.28,2702.72)
  Sig3 w4: v2(865,3623) 865,2975.16 1137.44,2702.72 v1(1416.28,2702.72)
  Bottom Layer w4: R111.1@1369.59,2703 1369.87,2702.72 v1(1416.28,2702.72)